# Altium PCB controller_V1.1.PcbDoc (part 5 of 6)
Units mm, origin at the board's own origin, x right, y up, seen from the top; angles counter-clockwise.
Board outline 150 x 150 mm, 2 copper layers (Top Layer, Bottom Layer); 287 components, 242 nets, 1096 pads, 5968 vias.
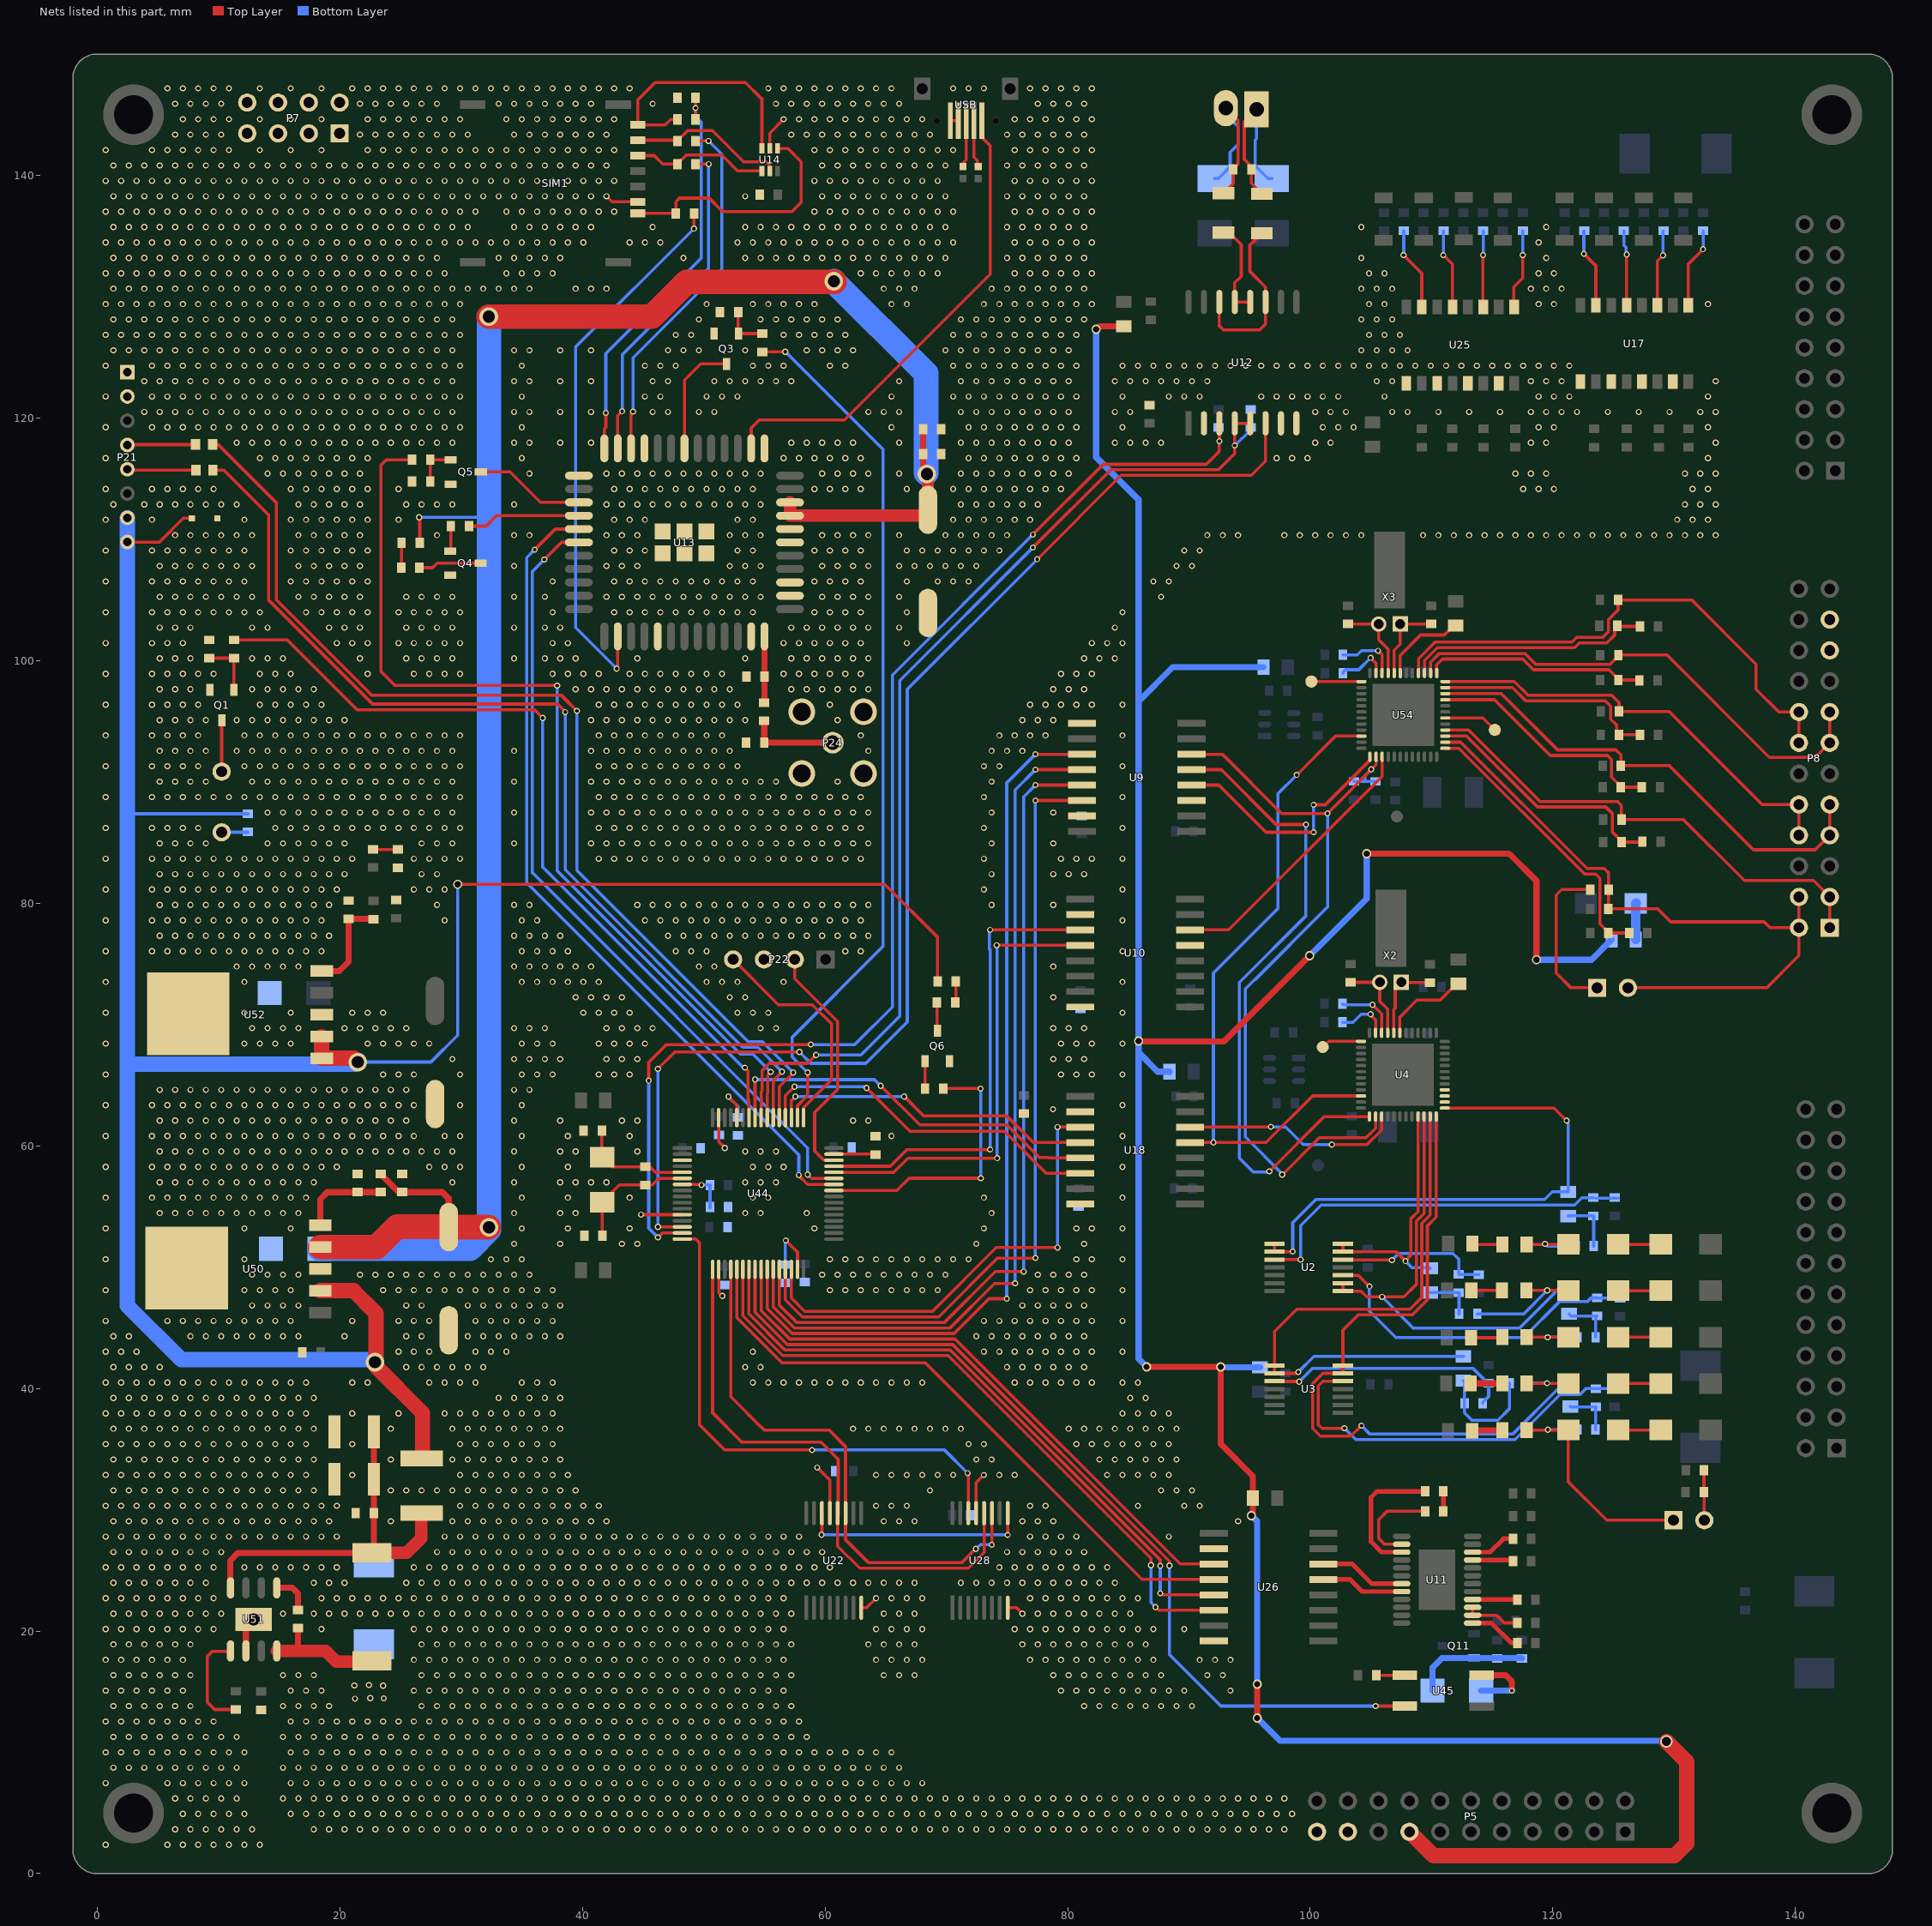
[diagram p5: the nets of this part, all layers, seen from the top]

## Via types
v1: diameter 0.508, hole 0.305, Top Layer to Bottom Layer, tented both sides, 5878 vias
v2: diameter 0.6, hole 0.3, Top Layer to Bottom Layer, 50 vias
v3: diameter 0.762, hole 0.508, Top Layer to Bottom Layer, tented both sides, 30 vias
v4: diameter 1.524, hole 1.016, Top Layer to Bottom Layer, tented both sides, 8 vias
v5: diameter 1.5, hole 1, Top Layer to Bottom Layer, 1 vias
v6: diameter 1.016, hole 0.762, Top Layer to Bottom Layer, tented both sides, 1 vias

## Nets (pads, with @x,y where several pads share a name; then routed paths per layer and width w, separated by ;. In a path a pad name is that pad's centre, name@x,y a point inside that pad or via, vN(x,y) a via of type N, cw(c..) or ccw(c..) an arc to the next point about the centre after c; other vN are vias at no path point) (continued)
GND: (continued)
  other v1: 22.299,129.388 23.569,129.388 24.839,129.388 26.109,129.388 27.379,129.388 28.649,129.388 29.919,129.388 50.239,129.388 54.049,129.388 55.319,129.388 56.589,129.388 57.859,129.388 59.129,129.388 65.479,129.388 66.749,129.388 73.099,129.388 74.369,129.388 75.639,129.388 76.909,129.388 78.179,129.388 79.449,129.388 80.719,129.388 81.989,129.388 104.849,129.388 106.119,129.388 118.819,129.388 120.089,129.388 132.789,129.388 1.344,130.658 2.614,130.658 3.884,130.658 5.154,130.658 6.424,130.658 7.694,130.658 8.964,130.658 10.234,130.658 11.504,130.658 12.774,130.658 14.044,130.658 15.314,130.658 16.584,130.658 17.854,130.658 19.124,130.658 20.394,130.658 21.664,130.658 22.934,130.658 24.204,130.658 25.474,130.658 26.744,130.658 28.014,130.658 29.284,130.658 30.554,130.658 31.824,130.658 33.094,130.658 34.364,130.658 35.634,130.658 39.444,130.658 40.714,130.658 41.984,130.658 64.844,130.658 66.114,130.658 67.384,130.658 73.734,130.658 75.004,130.658 76.274,130.658 77.544,130.658 78.814,130.658 80.084,130.658 81.354,130.658 104.214,130.658 105.484,130.658 106.754,130.658 118.184,130.658 119.454,130.658 120.724,130.658 0.709,131.928 1.979,131.928 3.249,131.928 4.519,131.928 5.789,131.928 7.059,131.928 8.329,131.928 9.599,131.928 10.869,131.928 12.139,131.928 13.409,131.928 14.679,131.928 15.949,131.928 17.219,131.928 18.489,131.928 19.759,131.928 21.029,131.928 22.299,131.928 23.569,131.928 24.839,131.928 26.109,131.928 27.379,131.928 28.649,131.928 33.729,131.928 34.999,131.928 36.269,131.928 37.539,131.928 62.939,131.928 64.209,131.928 65.479,131.928 66.749,131.928 68.019,131.928 69.289,131.928 75.639,131.928 76.909,131.928 78.179,131.928 79.449,131.928 80.719,131.928 81.989,131.928 104.849,131.928 106.119,131.928 118.819,131.928 120.089,131.928 1.344,133.198 2.614,133.198 3.884,133.198 5.154,133.198 6.424,133.198 7.694,133.198 8.964,133.198 10.234,133.198 11.504,133.198 12.774,133.198 14.044,133.198 15.314,133.198 16.584,133.198 17.854,133.198 19.124,133.198 20.394,133.198 21.664,133.198 22.934,133.198 24.204,133.198 25.474,133.198 26.744,133.198 28.014,133.198 33.094,133.198 34.364,133.198 35.634,133.198 36.904,133.198 38.174,133.198 48.334,133.198 53.414,133.198 54.684,133.198 55.954,133.198 57.224,133.198 58.494,133.198 59.764,133.198 61.034,133.198 62.304,133.198 63.574,133.198 64.844,133.198 66.114,133.198 67.384,133.198 68.654,133.198 69.924,133.198 75.004,133.198 76.274,133.198 77.544,133.198 78.814,133.198 80.084,133.198 81.354,133.198 104.214,133.198 119.454,133.198 0.709,134.468 1.979,134.468 3.249,134.468 4.519,134.468 5.789,134.468 7.059,134.468 8.329,134.468 9.599,134.468 10.869,134.468 12.139,134.468 13.409,134.468 14.679,134.468 15.949,134.468 17.219,134.468 18.489,134.468 19.759,134.468 21.029,134.468 22.299,134.468 23.569,134.468 24.839,134.468 26.109,134.468 27.379,134.468 28.649,134.468 29.919,134.468 31.189,134.468 32.459,134.468 33.729,134.468 34.999,134.468 36.269,134.468 37.539,134.468 38.809,134.468 40.079,134.468 43.889,134.468 45.159,134.468 46.429,134.468 52.779,134.468 54.049,134.468 55.319,134.468 56.589,134.468 57.859,134.468 59.129,134.468 60.399,134.468 61.669,134.468 62.939,134.468 64.209,134.468 65.479,134.468 66.749,134.468 68.019,134.468 69.289,134.468 70.559,134.468 75.639,134.468 76.909,134.468 78.179,134.468 79.449,134.468 80.719,134.468 81.989,134.468 118.819,134.468 1.344,135.738 2.614,135.738 3.884,135.738 5.154,135.738 6.424,135.738 7.694,135.738 8.964,135.738 10.234,135.738 11.504,135.738 12.774,135.738 14.044,135.738 15.314,135.738 16.584,135.738 17.854,135.738 19.124,135.738 20.394,135.738 21.664,135.738 22.934,135.738 24.204,135.738 25.474,135.738 26.744,135.738 28.014,135.738 29.284,135.738 30.554,135.738 34.364,135.738 35.634,135.738 36.904,135.738 38.174,135.738 39.444,135.738 40.714,135.738 45.794,135.738 53.414,135.738 54.684,135.738 55.954,135.738 57.224,135.738 58.494,135.738 59.764,135.738 61.034,135.738 62.304,135.738 63.574,135.738 64.844,135.738 66.114,135.738 67.384,135.738 68.654,135.738 69.924,135.738 75.004,135.738 76.274,135.738 77.544,135.738 78.814,135.738 80.084,135.738 81.354,135.738 104.214,135.738 119.454,135.738 0.709,137.008 1.979,137.008 3.249,137.008 4.519,137.008 5.789,137.008 7.059,137.008 8.329,137.008 9.599,137.008 10.869,137.008 12.139,137.008 13.409,137.008 14.679,137.008 15.949,137.008 17.219,137.008 18.489,137.008 19.759,137.008 21.029,137.008 22.299,137.008 23.569,137.008 24.839,137.008 26.109,137.008 27.379,137.008 28.649,137.008 29.919,137.008 31.189,137.008 33.729,137.008 34.999,137.008 36.269,137.008 37.539,137.008 38.809,137.008 40.079,137.008 41.349,137.008 42.619,137.008 59.129,137.008 60.399,137.008 61.669,137.008 62.939,137.008 64.209,137.008 65.479,137.008 66.749,137.008 68.019,137.008 69.289,137.008 70.559,137.008 75.639,137.008 76.909,137.008 78.179,137.008 79.449,137.008 80.719,137.008 81.989,137.008 1.344,138.278 2.614,138.278 3.884,138.278 5.154,138.278 6.424,138.278 7.694,138.278 8.964,138.278 10.234,138.278 11.504,138.278 12.774,138.278 14.044,138.278 15.314,138.278 16.584,138.278 17.854,138.278 19.124,138.278 20.394,138.278 21.664,138.278 22.934,138.278 24.204,138.278 25.474,138.278 26.744,138.278 28.014,138.278 29.284,138.278 30.554,138.278 31.824,138.278 33.094,138.278 34.364,138.278 35.634,138.278 36.904,138.278 38.174,138.278 39.444,138.278 40.714,138.278 53.414,138.278 59.764,138.278 61.034,138.278 62.304,138.278 63.574,138.278 64.844,138.278 66.114,138.278 67.384,138.278 68.654,138.278 69.924,138.278 75.004,138.278 76.274,138.278 77.544,138.278 78.814,138.278 80.084,138.278 81.354,138.278 0.709,139.548 1.979,139.548 3.249,139.548 4.519,139.548 5.789,139.548 7.059,139.548 8.329,139.548 9.599,139.548 10.869,139.548 12.139,139.548 13.409,139.548 14.679,139.548 15.949,139.548 17.219,139.548 18.489,139.548 19.759,139.548 21.029,139.548 22.299,139.548 23.569,139.548 24.839,139.548 26.109,139.548 27.379,139.548 28.649,139.548 29.919,139.548 31.189,139.548 32.459,139.548 33.729,139.548 34.999,139.548 36.269,139.548 37.539,139.548 38.809,139.548 40.079,139.548 41.349,139.548 42.619,139.548 59.129,139.548 60.399,139.548 61.669,139.548 62.939,139.548 64.209,139.548 65.479,139.548 66.749,139.548 68.019,139.548 69.289,139.548 75.639,139.548 76.909,139.548 78.179,139.548 79.449,139.548 80.719,139.548 81.989,139.548 1.344,140.818 2.614,140.818 3.884,140.818 5.154,140.818 6.424,140.818 7.694,140.818 8.964,140.818 10.234,140.818 11.504,140.818 12.774,140.818 14.044,140.818 15.314,140.818 16.584,140.818 17.854,140.818 19.124,140.818 20.394,140.818 21.664,140.818 22.934,140.818 24.204,140.818 25.474,140.818 26.744,140.818 28.014,140.818 29.284,140.818 30.554,140.818 31.824,140.818 33.094,140.818 34.364,140.818 35.634,140.818 36.904,140.818 38.174,140.818 39.444,140.818 40.714,140.818 41.984,140.818 59.764,140.818 61.034,140.818 62.304,140.818 63.574,140.818 64.844,140.818 66.114,140.818 67.384,140.818 68.654,140.818 69.924,140.818 75.004,140.818 76.274,140.818 77.544,140.818 78.814,140.818 80.084,140.818 81.354,140.818 0.709,142.088 4.519,142.088 5.789,142.088 7.059,142.088 8.329,142.088 9.599,142.088 10.869,142.088 13.409,142.088 15.949,142.088 18.489,142.088 22.299,142.088 23.569,142.088 24.839,142.088 26.109,142.088 27.379,142.088 28.649,142.088 29.919,142.088 31.189,142.088 32.459,142.088 33.729,142.088 34.999,142.088 36.269,142.088 37.539,142.088 38.809,142.088 40.079,142.088 41.349,142.088 42.619,142.088 59.129,142.088 60.399,142.088 61.669,142.088 62.939,142.088 64.209,142.088 65.479,142.088 66.749,142.088 68.019,142.088 69.289,142.088 70.559,142.088 75.639,142.088 76.909,142.088 78.179,142.088 79.449,142.088 80.719,142.088 81.989,142.088 6.424,143.358 7.694,143.358 8.964,143.358 10.234,143.358 21.664,143.358 22.934,143.358 24.204,143.358 25.474,143.358 26.744,143.358 28.014,143.358 29.284,143.358 30.554,143.358 34.364,143.358 35.634,143.358 36.904,143.358 38.174,143.358 39.444,143.358 40.714,143.358 41.984,143.358 57.224,143.358 58.494,143.358 59.764,143.358 61.034,143.358 62.304,143.358 63.574,143.358 64.844,143.358 66.114,143.358 67.384,143.358 68.654,143.358 75.004,143.358 76.274,143.358 77.544,143.358 78.814,143.358 80.084,143.358 81.354,143.358 7.059,144.628 8.329,144.628 9.599,144.628 10.869,144.628 13.409,144.628 15.949,144.628 18.489,144.628 22.299,144.628 23.569,144.628 24.839,144.628 26.109,144.628 27.379,144.628 28.649,144.628 29.919,144.628 33.729,144.628 34.999,144.628 36.269,144.628 37.539,144.628 38.809,144.628 40.079,144.628 41.349,144.628 42.619,144.628 57.859,144.628 59.129,144.628 60.399,144.628 61.669,144.628 62.939,144.628 64.209,144.628 65.479,144.628 66.749,144.628 68.019,144.628 75.639,144.628 76.909,144.628 78.179,144.628 79.449,144.628 80.719,144.628 81.989,144.628 6.424,145.898 7.694,145.898 8.964,145.898 10.234,145.898 21.664,145.898 22.934,145.898 24.204,145.898 25.474,145.898 26.744,145.898 28.014,145.898 33.094,145.898 34.364,145.898 35.634,145.898 36.904,145.898 38.174,145.898 39.444,145.898 40.714,145.898 45.794,145.898 55.954,145.898 57.224,145.898 58.494,145.898 59.764,145.898 61.034,145.898 62.304,145.898 63.574,145.898 64.844,145.898 66.114,145.898 77.544,145.898 78.814,145.898 80.084,145.898 81.354,145.898 5.789,147.168 7.059,147.168 8.329,147.168 9.599,147.168 10.869,147.168 13.409,147.168 15.949,147.168 18.489,147.168 21.029,147.168 22.299,147.168 23.569,147.168 24.839,147.168 26.109,147.168 27.379,147.168 28.649,147.168 29.919,147.168 31.189,147.168 32.459,147.168 33.729,147.168 34.999,147.168 36.269,147.168 37.539,147.168 38.809,147.168 40.079,147.168 41.349,147.168 42.619,147.168 43.889,147.168 55.319,147.168 56.589,147.168 57.859,147.168 59.129,147.168 60.399,147.168 61.669,147.168 62.939,147.168 64.209,147.168 65.479,147.168 70.559,147.168 71.829,147.168 73.099,147.168 76.909,147.168 78.179,147.168 79.449,147.168 80.719,147.168 81.989,147.168
  other v5: 12.901,20.961
IN_RCK: U22.12 U28.12 U44.17 | length 47.8
  Top Layer w0.254: U44.17@50.732,49.817 50.732,37.99 53.162,35.56 59.69,35.56 61.087,34.163 U22.12@61.087,29.464 ; U22.12@61.043,29.72 61.043,26.994 62.865,25.171 71.806,25.171 73.127,26.492 U28.12@73.127,29.667
IN_SCK: U22.11 U28.11 U44.20 | length 45.4
  Top Layer w0.254: U44.20@52.232,49.817 52.232,39.31 54.724,36.817 ; 54.737,36.83 54.991,36.576 60.325,36.576 61.693,35.208 61.693,31.877 U22.11@61.693,29.72 61.693,27.537 63.602,25.629 71.272,25.629 v1@72.441,26.797 ; v1@73.758,27.106 U28.11@73.758,29.72
  Bottom Layer w0.254: v1(72.441,26.772) 72.796,27.127 v1@73.762,27.127
  other v1: 73.736,27.102
IN_SI: U28.14 U44.16 | length 43.7
  Top Layer w0.254: U44.16@48.232,52.317 49.334,52.317 49.657,51.994 49.657,37.008 51.74,34.925 v1(58.928,34.925) v1@59.055,34.925 ; v1(71.755,33.02) 71.808,32.967 U28.14@71.808,29.72
  Bottom Layer w0.254: v1(58.928,34.925) 69.85,34.925 v1(71.755,33.02)
IO0: U44.24 U45.2 | length 75.1
  Top Layer w0.254: U44.24@54.232,49.817 54.232,46.285 56.9,43.617 70.531,43.617 88.392,25.756 v1(88.392,25.4) ; v1(105.388,13.818) U45.2@107.794,13.818
  Bottom Layer w0.254: v1(88.392,25.4) 88.392,18.059 92.634,13.818 v1(105.388,13.818)
IOUT0: C112.2 D8.1 Q11.2 R72.2 | length 9.6
  Bottom Layer w0.508: D8.1@110.08,15.088 110.08,16.989 110.878,17.787 Q11.2@113.509,17.787 113.525,17.771 117.43,17.771 C112.2@117.446,17.755
LATCH_AO: U11.7 U26.14 | length 7.1
  Top Layer w0.381: U26.14@101.089,25.527 103.454,25.527 105.075,23.907 U11.7@107.536,23.907
LATCH_AO_MCU: U26.3 U44.25 | length 49.4
  Top Layer w0.254: U44.25@54.732,49.817 54.732,46.432 57.09,44.074 70.72,44.074 89.267,25.527 U26.3@92.046,25.527
LCD_RX: R167.1 U44.53 | length 87.8
  Top Layer w0.254: R167.1@9.512,117.805 9.982,117.805 14.757,113.03 14.757,105.015 22.618,97.155 36.068,97.155 ; 36.855,97.155 36.068,97.155 ; 39.04,96.342 38.227,97.155 ; v1(39.548,95.86) 38.252,97.155 38.227,97.155 ; U44.53@56.232,62.317 56.232,64.868 v1@57.379,66.015 ; 36.068,97.155 38.227,97.155
  Bottom Layer w0.254: v1(39.548,95.86) 39.548,82.702 53.67,68.58 54.839,68.58 v1(57.379,66.04)
LCD_TX: R21.1 U44.54 | length 84.4
  Top Layer w0.254: R21.1@9.538,115.694 10.442,115.694 14.122,112.014 14.122,105.004 22.708,96.418 34.9,96.418 ; 36.068,96.418 34.9,96.418 ; v1@38.583,95.783 37.948,96.418 34.9,96.418 ; U44.54@55.732,62.317 55.739,62.324 55.739,65.391 v1(56.464,66.116)
  Bottom Layer w0.254: v1(38.583,95.758) 38.583,82.753 53.213,68.123 54.458,68.123 v1(56.464,66.116)
LTE_MRX: U13.17 U44.42 | length 68.7
  Top Layer w0.254: v1(36.068,109.144) 37.767,110.842 U13.17@39.712,110.842 ; v1(57.836,57.582) 57.836,57.543 58.562,56.817 U44.42@60.732,56.817
  Bottom Layer w0.254: v1(36.068,109.144) 35.408,108.483 35.408,81.686 57.836,59.258 v1(57.836,57.582)
LTE_MTX: U13.18 U44.43 | length 66.2
  Top Layer w0.254: v1(36.855,108.331) 38.267,109.742 U13.18@39.712,109.742 ; v1(58.572,57.633) 58.888,57.317 U44.43@60.732,57.317
  Bottom Layer w0.254: v1(36.855,108.331) 35.865,107.34 35.865,82.525 36.982,81.407 58.572,59.817 v1(58.572,57.633)
LTE_PWR_CTRL: R162.1 U44.50 | length 72.3
  Top Layer w0.254: R162.1@54.839,125.451 v1(56.718,125.451) ; U44.50@57.732,62.317 57.732,63.295 58.572,64.135 v1(58.572,66.04)
  Bottom Layer w0.254: v1@56.744,125.451 64.77,117.424 64.77,76.429 57.302,68.961 57.302,67.31 v1(58.572,66.04)
LTE_RST: R165.1 U44.55 | length 78.4
  Top Layer w0.254: R165.1@25.959,116.55 23.84,116.55 23.393,116.103 23.393,99.111 24.562,97.942 v1(37.922,97.942) ; U44.55@55.232,62.317 55.232,64.288 55.273,64.33 55.273,65.84 v1(55.524,66.091)
  Bottom Layer w0.254: v1@37.91,97.93 v1@37.922,97.917 ; v1(37.922,97.942) v1@37.922,97.917 ; v1(55.524,66.091) 54.067,67.548 53.048,67.548 37.922,82.673 v1@37.922,97.917
MAIN0: C5.2 U2.8 U2.9 U4.37 | length 44.7
  Top Layer w0.254: U2.8@97.051,51.929 U2.9@97.051,51.279 98.548,51.279 v1(98.552,51.283) ; U4.37@111.085,63.112 120.098,63.112 v1(121.133,62.078)
  Bottom Layer w0.254: v1(98.552,51.283) 98.552,53.67 100.457,55.575 119.329,55.575 119.958,56.204 C5.2@121.26,56.204 121.26,61.882 121.133,62.009 v1(121.133,62.078)
MAIN1: C13.2 U2.6 U2.7 U4.33 | length 20.8
  Top Layer w0.254: U2.7@102.69,51.929 U2.6@102.69,51.279 107.072,51.279 v1@107.848,50.502 ; v1(107.848,50.495) v1@107.848,50.502 ; U4.33@108.885,62.412 108.885,54.579 108.28,53.975 108.28,50.961 107.848,50.53 v1@107.848,50.502
  Bottom Layer w0.254: v1(107.848,50.495) 108.382,49.962 109.823,49.962 C13.2@109.88,49.904
MAIN2: C3.2 U2.1 U2.2 U4.34 | length 39.3
  Top Layer w0.254: U2.2@102.69,48.679 U2.1@102.69,48.029 104.159,48.029 104.642,47.546 107.722,47.546 108.737,48.561 108.737,53.786 109.385,54.433 U4.34@109.385,62.412
  Bottom Layer w0.254: v1(105.921,47.546) 108.488,44.979 117.256,44.979 120.114,47.837 120.114,47.877 120.389,48.152 C3.2@121.336,48.152
MAIN3: C21.2 U3.8 U3.9 U4.35 | length 48.1
  Top Layer w0.254: v1(99.009,41.351) 98.904,41.246 U3.9@97.051,41.246 U3.8@97.051,41.896 97.051,44.701 98.882,46.533 108.229,46.533 109.195,47.498 109.195,53.596 109.885,54.286 U4.35@109.885,62.412
  Bottom Layer w0.254: v1(99.009,41.351) 100.298,42.64 C21.2@112.624,42.64
MAIN4: C4.2 U3.6 U3.7 U4.36 | length 57.4
  Top Layer w0.254: v1(104.216,36.932) 103.353,36.068 100.838,36.068 100.203,36.703 100.203,40.398 101.051,41.246 U3.6@102.69,41.246 U3.7@102.69,41.896 102.69,44.802 103.963,46.076 108.419,46.076 109.652,47.309 109.652,53.407 110.385,54.14 U4.36@110.385,62.412
  Bottom Layer w0.254: v1(104.216,36.932) 104.915,36.233 116.681,36.233 120.581,40.133 121.064,40.133 C4.2@121.437,40.506
MAIN6: U4.39
MAIN7: U4.40
MAIN8: U4.38
MB_RX1: R227.1 U12.3 U44.15 | length 104.9
  Top Layer w0.254: v1(45.466,65.38) 45.466,66.878 46.939,68.351 v1(58.826,68.351) ; v1(46.228,52.451) 46.594,52.817 U44.15@48.232,52.817 ; v1(77.14,110.388) 82.931,116.18 91.44,116.18 92.504,117.244 v1(92.504,118.085) U12.3@92.504,119.558
  Bottom Layer w0.254: v1(45.466,65.38) 45.466,53.213 v1(46.228,52.451) ; v1(58.826,68.351) 62.459,68.351 65.557,71.45 65.557,72.39 ; 65.557,71.755 65.557,72.39 ; v1(77.14,110.388) 65.557,98.806 65.557,72.39 ; R227.1@92.431,119.202 92.504,119.129 v1(92.504,118.085)
MB_RX1_N: D79.2 F7.2 P23.2 R110.1 | length 15.1
  Top Layer w0.254: F7.2@92.86,138.53 93.647,139.318 R110.1@93.647,140.487 94.054,140.894 94.054,144.524 P23.2@93.038,145.54
  Bottom Layer w0.254: D79.2@92.123,139.73 92.423,139.73 93.396,140.703 93.396,141.883 94.054,142.54 94.054,144.024 93.038,145.04 P23.2@93.038,145.54
MB_RX1_P: D78.2 F8.2 P23.1 R110.2 | length 14.6
  Top Layer w0.254: 94.638,141.224 94.562,141.3 94.562,141.333 ; P23.1@95.578,145.44 94.562,144.424 94.562,141.333 ; F8.2@96.009,138.48 95.147,139.342 R110.2@95.147,140.487 95.147,140.747 94.562,141.333
  Bottom Layer w0.254: P23.1@95.578,145.44 95.578,143.036 95.451,142.909 95.451,140.801 96.522,139.73 D78.2@96.822,139.73
MB_RXEN1: R76.1 U12.4 U12.5 U44.56 | length 87.2
  Top Layer w0.254: U44.56@54.732,62.317 54.732,63.754 54.732,64.435 54.816,64.519 54.816,66.195 54.94,66.319 54.94,66.333 55.409,66.802 58.572,66.802 v1(59.258,67.488) ; v1(77.14,109.322) 83.541,115.722 92.431,115.722 93.774,117.066 U12.4@93.774,119.558 U12.5@95.044,119.558
  Bottom Layer w0.254: v1(59.258,67.488) 62.967,67.488 66.167,70.688 66.167,72.263 ; 66.167,70.993 66.167,72.263 ; v1(77.14,109.322) 66.167,98.349 66.167,72.263 ; v1@93.774,117.704 95.098,119.027 R76.1@95.098,119.202
  other v1: 93.774,117.729
MB_TX1: U12.6 U44.14 | length 106.9
  Top Layer w0.254: v1(46.23,53.317) U44.14@48.232,53.317 ; v1(46.23,66.347) 47.625,67.742 v1(57.887,67.742) ; v1(77.495,108.356) 84.404,115.265 95.148,115.265 96.314,116.431 U12.6@96.314,119.558 96.314,118.514
  Bottom Layer w0.254: v1(46.23,53.317) v1(46.23,66.347) ; v1(57.887,67.742) 58.826,66.802 63.373,66.802 66.777,70.206 66.777,97.638 v1(77.495,108.356)
MC\S\1: U4.27 U18.14 | length 18
  Top Layer w0.254: U18.14@90.091,61.544 v1@96.774,61.544 ; v1(101.778,60.096) 104.672,60.096 105.885,61.309 U4.27@105.885,62.412
  Bottom Layer w0.254: v1@96.749,61.544 97.968,61.544 99.416,60.096 v1(101.778,60.096)
  other v1: 96.749,61.57
MC\S\_PT1: U10.14 U54.27 | length 22.7
  Top Layer w0.254: U10.14@90.091,77.8 93.269,77.8 105.921,90.452 U54.27@105.921,92.071
MC\S\_PT2: U10.13
MD\R\D\Y\: U4.25 U9.5 | length 54.2
  Top Layer w0.254: U9.5@90.218,91.008 92.659,91.008 97.18,86.487 v1(99.644,86.487) ; v1(96.622,57.887) 101.147,62.412 U4.25@104.885,62.412
  Bottom Layer w0.254: v1(96.622,57.887) 96.574,57.839 95.297,57.839 94.144,58.992 94.144,73.457 99.644,78.957 v1(99.644,86.487)
MD\R\D\Y\_MCU: U9.12 U44.27 | length 72.2
  Top Layer w0.254: U44.27@55.732,49.817 55.732,46.725 57.469,44.988 70.312,44.988 73.965,48.641 v1@75.667,48.641 ; v1(77.343,91.008) U9.12@81.176,91.008
  Bottom Layer w0.254: v1@75.667,48.641 75.667,89.332 v1(77.343,91.008)
  other v1: 75.667,48.666
MD\R\D\Y\_PT1: U9.4 U54.25 | length 20.4
  Top Layer w0.254: U9.4@90.218,89.738 92.456,89.738 96.342,85.852 v1(100.279,85.852) ; v1(100.279,88.113) 101.247,88.113 104.921,91.786 U54.25@104.921,92.071
  Bottom Layer w0.254: v1(100.279,85.852) v1(100.279,88.113)
MD\R\D\Y\_PT1_MCU: U9.13 U44.28 | length 69.8
  Top Layer w0.254: U44.28@56.232,49.817 56.232,46.871 57.658,45.445 69.855,45.445 74.041,49.632 v1@76.403,49.632 ; v1(77.343,89.738) U9.13@81.176,89.738
  Bottom Layer w0.254: v1(76.378,49.632) 76.378,88.773 v1(77.343,89.738)
MD\R\D\Y\_PT2: U9.3
MD\R\D\Y\_PT2_MCU: U9.14 U44.29 | length 67.3
  Top Layer w0.254: U44.29@56.732,49.817 56.732,47.306 58.136,45.903 69.372,45.903 74.219,50.749 v1(77.343,50.749) ; v1(77.343,88.468) U9.14@81.176,88.468
  Bottom Layer w0.254: v1(77.343,50.749) v1(77.343,88.468)
MIBSPI1CLK: U18.4 U44.51 | length 26.9